# KiCad board Si5351ABreakout_panel.kicad_pcb (continued)
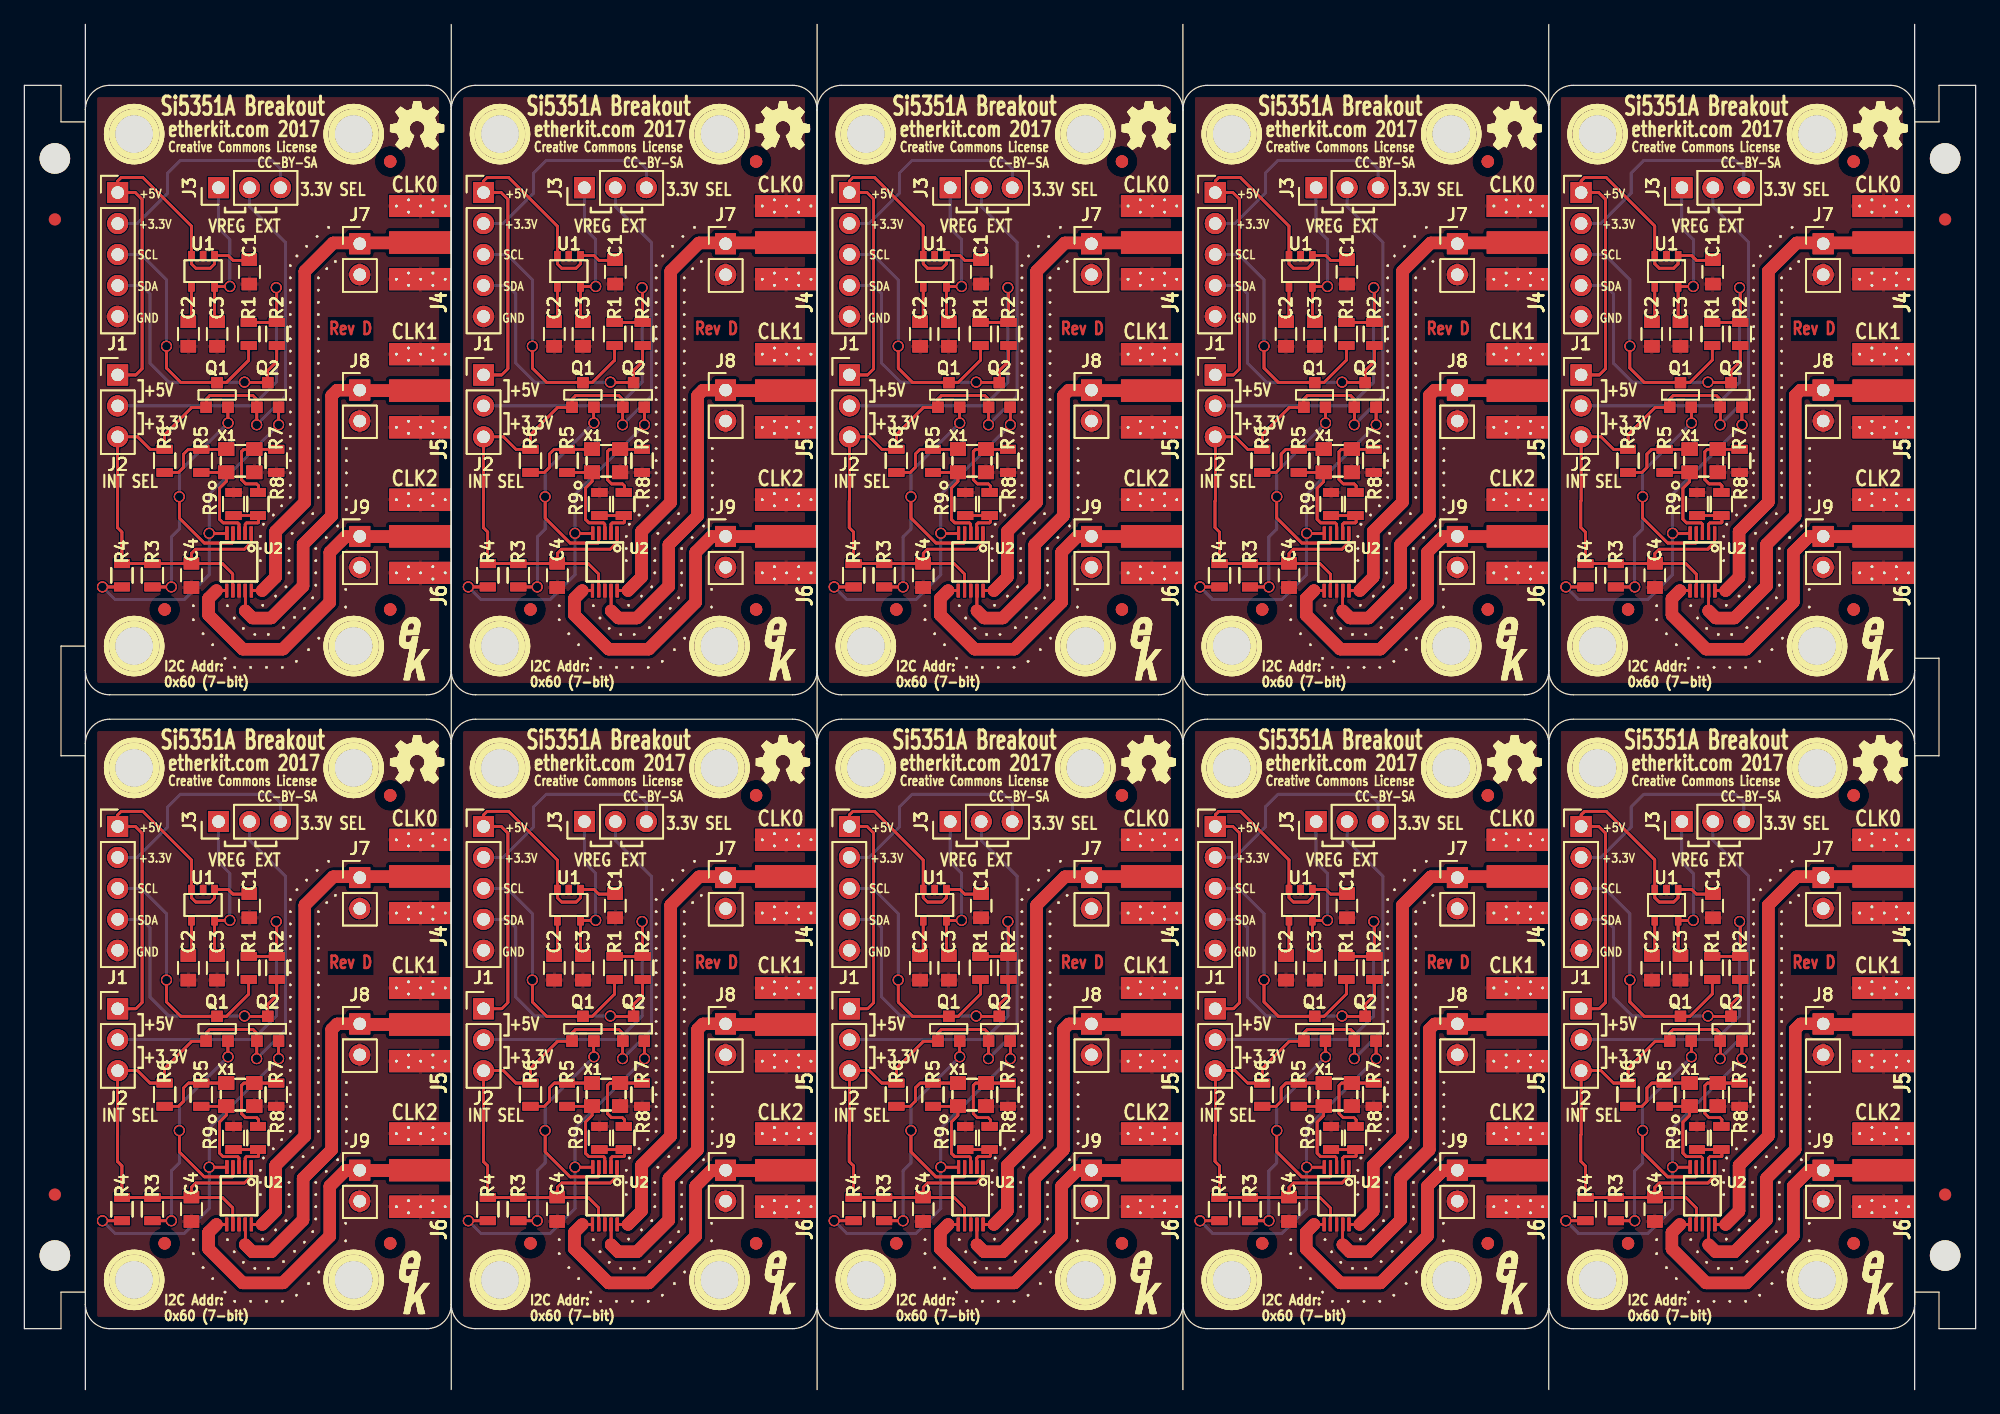
[diagram p0: board, top side]
## Routing (per net, layer and track width the routed paths; a pad name or vN(x,y) marks a point on that pad's centre or on a via; arc(x,y) is an arc through that point) (continued)
Net-(R7-Pad1): length 293.6
  Top w0.2: X1.3 18,77.15 ; X1.3 20.6,77.15 ; X1.3 20.6,77.15 ; X1.3 18,77.15 ; X1.3 18,77.15 ; X1.3 20.6,77.15 ; X1.3 20.6,77.15 ; X1.3 18,77.15 ; 18,77.15 17.8,76.95 ; 18,77.15 17.8,76.95 ; 18,77.15 17.8,76.95 ; 18,77.15 17.8,76.95 ; 17.8,76.95 17.8,74.65 ; 17.8,76.95 17.8,74.65 ; 17.8,76.95 17.8,74.65 ; 17.8,76.95 17.8,74.65 ; 17.8,74.65 18.15,74.3 ; 17.8,74.65 18.15,74.3 ; 17.8,74.65 18.15,74.3 ; 17.8,74.65 18.15,74.3 ; 18.15,74.3 19.05,74.3 ; 18.15,74.3 19.05,74.3 ; 18.15,74.3 19.05,74.3 ; 18.15,74.3 19.05,74.3 ; 19.05,74.3 19.2,74.15 ; 19.05,74.3 19.2,74.15 ; 19.05,74.3 19.2,74.15 ; 19.05,74.3 19.2,74.15 ; 19.2,74.15 19.2,73.6 ; 19.2,74.15 19.2,73.6 ; 19.2,74.15 19.2,73.6 ; 19.2,74.15 19.2,73.6 ; X1#2.3 48,77.15 ; X1#2.3 50.6,77.15 ; X1#2.3 50.6,77.15 ; X1#2.3 48,77.15 ; X1#2.3 48,77.15 ; X1#2.3 50.6,77.15 ; X1#2.3 48,77.15 ; X1#2.3 50.6,77.15 ; 48,77.15 47.8,76.95 ; 48,77.15 47.8,76.95 ; 48,77.15 47.8,76.95 ; 48,77.15 47.8,76.95 ; 47.8,76.95 47.8,74.65 ; 47.8,76.95 47.8,74.65 ; 47.8,76.95 47.8,74.65 ; 47.8,76.95 47.8,74.65 ; 47.8,74.65 48.15,74.3 ; 47.8,74.65 48.15,74.3 ; 47.8,74.65 48.15,74.3 ; 47.8,74.65 48.15,74.3 ; 48.15,74.3 49.05,74.3 ; 48.15,74.3 49.05,74.3 ; 48.15,74.3 49.05,74.3 ; 48.15,74.3 49.05,74.3 ; 49.05,74.3 49.2,74.15 ; 49.05,74.3 49.2,74.15 ; 49.05,74.3 49.2,74.15 ; 49.05,74.3 49.2,74.15 ; 49.2,74.15 49.2,73.6 ; 49.2,74.15 49.2,73.6 ; 49.2,74.15 49.2,73.6 ; 49.2,74.15 49.2,73.6 ; X1#3.3 78,77.15 ; X1#3.3 80.6,77.15 ; X1#3.3 80.6,77.15 ; X1#3.3 78,77.15 ; X1#3.3 78,77.15 ; X1#3.3 80.6,77.15 ; X1#3.3 80.6,77.15 ; X1#3.3 78,77.15 ; 78,77.15 77.8,76.95 ; 78,77.15 77.8,76.95 ; 78,77.15 77.8,76.95 ; 78,77.15 77.8,76.95 ; 77.8,76.95 77.8,74.65 ; 77.8,76.95 77.8,74.65 ; 77.8,76.95 77.8,74.65 ; 77.8,76.95 77.8,74.65 ; 77.8,74.65 78.15,74.3 ; 77.8,74.65 78.15,74.3 ; 77.8,74.65 78.15,74.3 ; 77.8,74.65 78.15,74.3 ; 78.15,74.3 79.05,74.3 ; 78.15,74.3 79.05,74.3 ; 78.15,74.3 79.05,74.3 ; 78.15,74.3 79.05,74.3 ; 79.05,74.3 79.2,74.15 ; 79.05,74.3 79.2,74.15 ; 79.05,74.3 79.2,74.15 ; 79.05,74.3 79.2,74.15 ; 79.2,74.15 79.2,73.6 ; 79.2,74.15 79.2,73.6 ; 79.2,74.15 79.2,73.6 ; 79.2,74.15 79.2,73.6 ; X1#4.3 108,77.15 ; X1#4.3 110.6,77.15 ; X1#4.3 110.6,77.15 ; X1#4.3 108,77.15 ; X1#4.3 108,77.15 ; X1#4.3 110.6,77.15 ; X1#4.3 110.6,77.15 ; X1#4.3 108,77.15 ; 108,77.15 107.8,76.95 ; 108,77.15 107.8,76.95 ; 108,77.15 107.8,76.95 ; 108,77.15 107.8,76.95 ; 107.8,76.95 107.8,74.65 ; 107.8,76.95 107.8,74.65 ; 107.8,76.95 107.8,74.65 ; 107.8,76.95 107.8,74.65 ; 107.8,74.65 108.15,74.3 ; 107.8,74.65 108.15,74.3 ; 107.8,74.65 108.15,74.3 ; 107.8,74.65 108.15,74.3 ; 108.15,74.3 109.05,74.3 ; 108.15,74.3 109.05,74.3 ; 108.15,74.3 109.05,74.3 ; 108.15,74.3 109.05,74.3 ; 109.05,74.3 109.2,74.15 ; 109.05,74.3 109.2,74.15 ; 109.05,74.3 109.2,74.15 ; 109.05,74.3 109.2,74.15 ; 109.2,74.15 109.2,73.6 ; 109.2,74.15 109.2,73.6 ; 109.2,74.15 109.2,73.6 ; 109.2,74.15 109.2,73.6 ; X1#5.3 138,77.15 ; X1#5.3 140.6,77.15 ; X1#5.3 140.6,77.15 ; X1#5.3 138,77.15 ; X1#5.3 138,77.15 ; X1#5.3 140.6,77.15 ; X1#5.3 140.6,77.15 ; X1#5.3 138,77.15 ; 138,77.15 137.8,76.95 ; 138,77.15 137.8,76.95 ; 138,77.15 137.8,76.95 ; 138,77.15 137.8,76.95 ; 137.8,76.95 137.8,74.65 ; 137.8,76.95 137.8,74.65 ; 137.8,76.95 137.8,74.65 ; 137.8,76.95 137.8,74.65 ; 137.8,74.65 138.15,74.3 ; 137.8,74.65 138.15,74.3 ; 137.8,74.65 138.15,74.3 ; 137.8,74.65 138.15,74.3 ; 138.15,74.3 139.05,74.3 ; 138.15,74.3 139.05,74.3 ; 138.15,74.3 139.05,74.3 ; 138.15,74.3 139.05,74.3 ; 139.05,74.3 139.2,74.15 ; 139.05,74.3 139.2,74.15 ; 139.05,74.3 139.2,74.15 ; 139.05,74.3 139.2,74.15 ; 139.2,74.15 139.2,73.6 ; 139.2,74.15 139.2,73.6 ; 139.2,74.15 139.2,73.6 ; 139.2,74.15 139.2,73.6 ; X1#37.3 110.6,25.15 ; X1#37.3 110.6,25.15 ; X1#37.3 110.6,25.15 ; X1#37.3 110.6,25.15 ; X1#37.3 108,25.15 ; X1#37.3 108,25.15 ; X1#37.3 108,25.15 ; X1#37.3 108,25.15 ; X1#33.3 138,25.15 ; X1#33.3 138,25.15 ; X1#33.3 138,25.15 ; X1#33.3 140.6,25.15 ; X1#33.3 140.6,25.15 ; X1#33.3 138,25.15 ; X1#33.3 140.6,25.15 ; X1#33.3 140.6,25.15 ; 138,25.15 137.8,24.95 ; 138,25.15 137.8,24.95 ; 138,25.15 137.8,24.95 ; 138,25.15 137.8,24.95 ; 137.8,24.95 137.8,22.65 ; 137.8,24.95 137.8,22.65 ; 137.8,24.95 137.8,22.65 ; 137.8,24.95 137.8,22.65 ; 137.8,22.65 138.15,22.3 ; 137.8,22.65 138.15,22.3 ; 137.8,22.65 138.15,22.3 ; 137.8,22.65 138.15,22.3 ; 138.15,22.3 139.05,22.3 ; 138.15,22.3 139.05,22.3 ; 138.15,22.3 139.05,22.3 ; 138.15,22.3 139.05,22.3 ; 139.05,22.3 139.2,22.15 ; 139.05,22.3 139.2,22.15 ; 139.05,22.3 139.2,22.15 ; 139.05,22.3 139.2,22.15 ; 139.2,22.15 139.2,21.6 ; 139.2,22.15 139.2,21.6 ; 139.2,22.15 139.2,21.6 ; 139.2,22.15 139.2,21.6 ; 108.15,22.3 109.05,22.3 ; 108.15,22.3 109.05,22.3 ; 108.15,22.3 109.05,22.3 ; 108.15,22.3 109.05,22.3 ; 108.15,22.3 107.8,22.65 ; 108.15,22.3 107.8,22.65 ; 108.15,22.3 107.8,22.65 ; 108.15,22.3 107.8,22.65 ; 109.05,22.3 109.2,22.15 ; 109.05,22.3 109.2,22.15 ; 109.05,22.3 109.2,22.15 ; 109.05,22.3 109.2,22.15 ; 107.8,22.65 107.8,24.95 ; 107.8,22.65 107.8,24.95 ; 107.8,22.65 107.8,24.95 ; 107.8,22.65 107.8,24.95 ; 107.8,24.95 108,25.15 ; 107.8,24.95 108,25.15 ; 107.8,24.95 108,25.15 ; 107.8,24.95 108,25.15 ; 109.2,22.15 109.2,21.6 ; 109.2,22.15 109.2,21.6 ; 109.2,22.15 109.2,21.6 ; 109.2,22.15 109.2,21.6 ; 77.8,24.95 77.8,22.65 ; 77.8,24.95 77.8,22.65 ; 77.8,24.95 78,25.15 ; 77.8,24.95 77.8,22.65 ; 77.8,24.95 77.8,22.65 ; 77.8,24.95 78,25.15 ; 77.8,24.95 78,25.15 ; 77.8,24.95 78,25.15 ; 77.8,22.65 78.15,22.3 ; 77.8,22.65 78.15,22.3 ; 77.8,22.65 78.15,22.3 ; 77.8,22.65 78.15,22.3 ; 78,25.15 X1#21.3 ; 78,25.15 X1#21.3 ; 78,25.15 X1#21.3 ; 78,25.15 X1#21.3 ; X1#21.3 80.6,25.15 ; X1#21.3 80.6,25.15 ; X1#21.3 80.6,25.15 ; X1#21.3 80.6,25.15 ; 78.15,22.3 79.05,22.3 ; 78.15,22.3 79.05,22.3 ; 78.15,22.3 79.05,22.3 ; 78.15,22.3 79.05,22.3 ; 79.05,22.3 79.2,22.15 ; 79.05,22.3 79.2,22.15 ; 79.05,22.3 79.2,22.15 ; 79.05,22.3 79.2,22.15 ; 79.2,22.15 79.2,21.6 ; 79.2,22.15 79.2,21.6 ; 79.2,22.15 79.2,21.6 ; 79.2,22.15 79.2,21.6 ; 49.05,22.3 49.2,22.15 ; 49.05,22.3 49.2,22.15 ; 49.05,22.3 49.2,22.15 ; 49.05,22.3 49.2,22.15 ; 49.05,22.3 48.15,22.3 ; 49.05,22.3 48.15,22.3 ; 49.05,22.3 48.15,22.3 ; 49.05,22.3 48.15,22.3 ; 49.2,22.15 49.2,21.6 ; 49.2,22.15 49.2,21.6 ; 49.2,22.15 49.2,21.6 ; 49.2,22.15 49.2,21.6 ; 47.8,22.65 48.15,22.3 ; 47.8,22.65 48.15,22.3 ; 47.8,22.65 48.15,22.3 ; 47.8,22.65 48.15,22.3 ; 47.8,22.65 47.8,24.95 ; 47.8,22.65 47.8,24.95 ; 47.8,22.65 47.8,24.95 ; 47.8,22.65 47.8,24.95 ; X1#29.3 48,25.15 ; X1#29.3 48,25.15 ; X1#29.3 48,25.15 ; X1#29.3 48,25.15 ; X1#29.3 50.6,25.15 ; X1#29.3 50.6,25.15 ; X1#29.3 50.6,25.15 ; X1#29.3 50.6,25.15 ; 48,25.15 47.8,24.95 ; 48,25.15 47.8,24.95 ; 48,25.15 47.8,24.95 ; 48,25.15 47.8,24.95 ; 17.8,24.95 17.8,22.65 ; 17.8,24.95 17.8,22.65 ; 17.8,24.95 18,25.15 ; 17.8,24.95 17.8,22.65 ; 17.8,24.95 17.8,22.65 ; 17.8,24.95 18,25.15 ; 17.8,24.95 18,25.15 ; 17.8,24.95 18,25.15 ; 17.8,22.65 18.15,22.3 ; 17.8,22.65 18.15,22.3 ; 17.8,22.65 18.15,22.3 ; 17.8,22.65 18.15,22.3 ; 18,25.15 X1#22.3 ; 18,25.15 X1#22.3 ; 18,25.15 X1#22.3 ; 18,25.15 X1#22.3 ; X1#22.3 20.6,25.15 ; X1#22.3 20.6,25.15 ; X1#22.3 20.6,25.15 ; X1#22.3 20.6,25.15 ; 18.15,22.3 19.05,22.3 ; 18.15,22.3 19.05,22.3 ; 18.15,22.3 19.05,22.3 ; 18.15,22.3 19.05,22.3 ; 19.05,22.3 19.2,22.15 ; 19.05,22.3 19.2,22.15 ; 19.05,22.3 19.2,22.15 ; 19.05,22.3 19.2,22.15 ; 19.2,22.15 19.2,21.6 ; 19.2,22.15 19.2,21.6 ; 19.2,22.15 19.2,21.6 ; 19.2,22.15 19.2,21.6
Net-(R8-Pad2): length 178.5
  Top w0.2: R9.1 R8.2 ; R9.1 R8.2 ; R9.1 R8.2 ; R9.1 R8.2 ; 19.2,71.15 19.2,71.7 ; 19.2,71.15 19.15,71.1 ; 19.2,71.15 19.15,71.1 ; 19.2,71.15 19.2,71.7 ; 19.2,71.15 19.2,71.7 ; 19.2,71.15 19.15,71.1 ; 19.2,71.15 19.2,71.7 ; 19.2,71.15 19.15,71.1 ; 18.2,71.1 19.15,71.1 ; 18.2,71.1 18.1,71 ; 18.2,71.1 18.1,71 ; 18.2,71.1 19.15,71.1 ; 18.2,71.1 19.15,71.1 ; 18.2,71.1 18.1,71 ; 18.2,71.1 19.15,71.1 ; 18.2,71.1 18.1,71 ; 18.1,71 U2.2 ; 18.1,71 U2.2 ; 18.1,71 U2.2 ; 18.1,71 U2.2 ; R9#2.1 R8#2.2 ; R9#2.1 R8#2.2 ; R9#2.1 R8#2.2 ; R9#2.1 R8#2.2 ; 49.2,71.15 49.2,71.7 ; 49.2,71.15 49.15,71.1 ; 49.2,71.15 49.15,71.1 ; 49.2,71.15 49.2,71.7 ; 49.2,71.15 49.2,71.7 ; 49.2,71.15 49.15,71.1 ; 49.2,71.15 49.2,71.7 ; 49.2,71.15 49.15,71.1 ; 48.2,71.1 49.15,71.1 ; 48.2,71.1 48.1,71 ; 48.2,71.1 48.1,71 ; 48.2,71.1 49.15,71.1 ; 48.2,71.1 49.15,71.1 ; 48.2,71.1 48.1,71 ; 48.2,71.1 49.15,71.1 ; 48.2,71.1 48.1,71 ; 48.1,71 U2#2.2 ; 48.1,71 U2#2.2 ; 48.1,71 U2#2.2 ; 48.1,71 U2#2.2 ; R9#3.1 R8#3.2 ; R9#3.1 R8#3.2 ; R9#3.1 R8#3.2 ; R9#3.1 R8#3.2 ; 79.2,71.15 79.2,71.7 ; 79.2,71.15 79.15,71.1 ; 79.2,71.15 79.15,71.1 ; 79.2,71.15 79.2,71.7 ; 79.2,71.15 79.2,71.7 ; 79.2,71.15 79.15,71.1 ; 79.2,71.15 79.15,71.1 ; 79.2,71.15 79.2,71.7 ; 78.2,71.1 79.15,71.1 ; 78.2,71.1 78.1,71 ; 78.2,71.1 78.1,71 ; 78.2,71.1 79.15,71.1 ; 78.2,71.1 79.15,71.1 ; 78.2,71.1 78.1,71 ; 78.2,71.1 79.15,71.1 ; 78.2,71.1 78.1,71 ; 78.1,71 U2#3.2 ; 78.1,71 U2#3.2 ; 78.1,71 U2#3.2 ; 78.1,71 U2#3.2 ; R9#4.1 R8#4.2 ; R9#4.1 R8#4.2 ; R9#4.1 R8#4.2 ; R9#4.1 R8#4.2 ; 109.2,71.15 109.2,71.7 ; 109.2,71.15 109.15,71.1 ; 109.2,71.15 109.15,71.1 ; 109.2,71.15 109.2,71.7 ; 109.2,71.15 109.2,71.7 ; 109.2,71.15 109.15,71.1 ; 109.2,71.15 109.2,71.7 ; 109.2,71.15 109.15,71.1 ; 108.2,71.1 109.15,71.1 ; 108.2,71.1 108.1,71 ; 108.2,71.1 108.1,71 ; 108.2,71.1 109.15,71.1 ; 108.2,71.1 109.15,71.1 ; 108.2,71.1 108.1,71 ; 108.2,71.1 108.1,71 ; 108.2,71.1 109.15,71.1 ; 108.1,71 U2#4.2 ; 108.1,71 U2#4.2 ; 108.1,71 U2#4.2 ; 108.1,71 U2#4.2 ; R9#5.1 R8#5.2 ; R9#5.1 R8#5.2 ; R9#5.1 R8#5.2 ; R9#5.1 R8#5.2 ; 139.2,71.15 139.2,71.7 ; 139.2,71.15 139.15,71.1 ; 139.2,71.15 139.15,71.1 ; 139.2,71.15 139.2,71.7 ; 139.2,71.15 139.2,71.7 ; 139.2,71.15 139.15,71.1 ; 139.2,71.15 139.15,71.1 ; 139.2,71.15 139.2,71.7 ; 138.2,71.1 139.15,71.1 ; 138.2,71.1 138.1,71 ; 138.2,71.1 138.1,71 ; 138.2,71.1 139.15,71.1 ; 138.2,71.1 139.15,71.1 ; 138.2,71.1 138.1,71 ; 138.2,71.1 138.1,71 ; 138.2,71.1 139.15,71.1 ; 138.1,71 U2#5.2 ; 138.1,71 U2#5.2 ; 138.1,71 U2#5.2 ; 138.1,71 U2#5.2 ; R9#37.1 R8#37.2 ; R9#37.1 R8#37.2 ; R9#37.1 R8#37.2 ; R9#37.1 R8#37.2 ; 138.2,19.1 139.15,19.1 ; 138.2,19.1 139.15,19.1 ; 138.2,19.1 139.15,19.1 ; 138.2,19.1 139.15,19.1 ; 138.2,19.1 138.1,19 ; 138.2,19.1 138.1,19 ; 138.2,19.1 138.1,19 ; 138.2,19.1 138.1,19 ; 139.15,19.1 139.2,19.15 ; 139.15,19.1 139.2,19.15 ; 139.15,19.1 139.2,19.15 ; 139.15,19.1 139.2,19.15 ; 139.2,19.15 139.2,19.7 ; 139.2,19.15 139.2,19.7 ; 139.2,19.15 139.2,19.7 ; 139.2,19.15 139.2,19.7 ; 138.1,19 U2#37.2 ; 138.1,19 U2#37.2 ; 138.1,19 U2#37.2 ; 138.1,19 U2#37.2 ; U2#33.2 108.1,19 ; U2#33.2 108.1,19 ; U2#33.2 108.1,19 ; U2#33.2 108.1,19 ; 108.1,19 108.2,19.1 ; 108.1,19 108.2,19.1 ; 108.1,19 108.2,19.1 ; 108.1,19 108.2,19.1 ; 108.2,19.1 109.15,19.1 ; 108.2,19.1 109.15,19.1 ; 108.2,19.1 109.15,19.1 ; 108.2,19.1 109.15,19.1 ; 109.2,19.15 109.2,19.7 ; 109.2,19.15 109.2,19.7 ; 109.2,19.15 109.2,19.7 ; 109.2,19.15 109.15,19.1 ; 109.2,19.15 109.15,19.1 ; 109.2,19.15 109.2,19.7 ; 109.2,19.15 109.15,19.1 ; 109.2,19.15 109.15,19.1 ; R9#33.1 R8#33.2 ; R9#33.1 R8#33.2 ; R9#33.1 R8#33.2 ; R9#33.1 R8#33.2 ; 78.1,19 78.2,19.1 ; 78.1,19 78.2,19.1 ; 78.1,19 78.2,19.1 ; 78.1,19 78.2,19.1 ; 78.1,19 U2#21.2 ; 78.1,19 U2#21.2 ; 78.1,19 U2#21.2 ; 78.1,19 U2#21.2 ; 78.2,19.1 79.15,19.1 ; 78.2,19.1 79.15,19.1 ; 78.2,19.1 79.15,19.1 ; 78.2,19.1 79.15,19.1 ; 79.15,19.1 79.2,19.15 ; 79.15,19.1 79.2,19.15 ; 79.15,19.1 79.2,19.15 ; 79.15,19.1 79.2,19.15 ; 79.2,19.15 79.2,19.7 ; 79.2,19.15 79.2,19.7 ; 79.2,19.15 79.2,19.7 ; 79.2,19.15 79.2,19.7 ; R9#21.1 R8#21.2 ; R9#21.1 R8#21.2 ; R9#21.1 R8#21.2 ; R9#21.1 R8#21.2 ; U2#26.2 48.1,19 ; U2#26.2 48.1,19 ; U2#26.2 48.1,19 ; U2#26.2 48.1,19 ; 48.1,19 48.2,19.1 ; 48.1,19 48.2,19.1 ; 48.1,19 48.2,19.1 ; 48.1,19 48.2,19.1 ; 48.2,19.1 49.15,19.1 ; 48.2,19.1 49.15,19.1 ; 48.2,19.1 49.15,19.1 ; 48.2,19.1 49.15,19.1 ; 49.15,19.1 49.2,19.15 ; 49.15,19.1 49.2,19.15 ; 49.15,19.1 49.2,19.15 ; 49.15,19.1 49.2,19.15 ; R9#29.1 R8#29.2 ; R9#29.1 R8#29.2 ; R9#29.1 R8#29.2 ; R9#29.1 R8#29.2 ; 49.2,19.15 49.2,19.7 ; 49.2,19.15 49.2,19.7 ; 49.2,19.15 49.2,19.7 ; 49.2,19.15 49.2,19.7 ; 18.1,19 18.2,19.1 ; 18.1,19 18.2,19.1 ; 18.1,19 U2#25.2 ; 18.1,19 18.2,19.1 ; 18.1,19 18.2,19.1 ; 18.1,19 U2#25.2 ; 18.1,19 U2#25.2 ; 18.1,19 U2#25.2 ; 18.2,19.1 19.15,19.1 ; 18.2,19.1 19.15,19.1 ; 18.2,19.1 19.15,19.1 ; 18.2,19.1 19.15,19.1 ; 19.15,19.1 19.2,19.15 ; 19.15,19.1 19.2,19.15 ; 19.15,19.1 19.2,19.15 ; 19.15,19.1 19.2,19.15 ; R9#22.1 R8#22.2 ; R9#22.1 R8#22.2 ; R9#22.1 R8#22.2 ; R9#22.1 R8#22.2 ; 19.2,19.15 19.2,19.7 ; 19.2,19.15 19.2,19.7 ; 19.2,19.15 19.2,19.7 ; 19.2,19.15 19.2,19.7

## Copper pours and planes (outline as drawn; the poured copper is in the pictures)
GND on Top: 64,58 36,58 36,106 64,106
GND on Top: 34,58 6,58 6,106 34,106
GND on Top: 94,58 66,58 66,106 94,106
GND on Top: 124,58 96,58 96,106 124,106
GND on Top: 154,58 126,58 126,106 154,106
GND on Top: 34,58 6,58 6,106 34,106
GND on Top: 64,58 36,58 36,106 64,106
GND on Top: 94,58 66,58 66,106 94,106
GND on Top: 124,58 96,58 96,106 124,106
GND on Top: 154,58 126,58 126,106 154,106
GND on Top: 34,58 6,58 6,106 34,106
GND on Top: 64,58 36,58 36,106 64,106
GND on Top: 94,58 66,58 66,106 94,106
GND on Top: 124,58 96,58 96,106 124,106
GND on Top: 154,58 126,58 126,106 154,106
GND on Top: 34,58 6,58 6,106 34,106
GND on Top: 64,58 36,58 36,106 64,106
GND on Top: 94,58 66,58 66,106 94,106
GND on Top: 124,58 96,58 96,106 124,106
GND on Top: 154,58 126,58 126,106 154,106
GND on Top: 154,6 126,6 126,54 154,54
GND on Top: 124,6 96,6 96,54 124,54
GND on Top: 154,6 126,6 126,54 154,54
GND on Top: 154,6 126,6 126,54 154,54
GND on Top: 154,6 126,6 126,54 154,54
GND on Top: 124,6 96,6 96,54 124,54
GND on Top: 124,6 96,6 96,54 124,54
GND on Top: 124,6 96,6 96,54 124,54
GND on Top: 64,6 36,6 36,54 64,54
GND on Top: 64,6 36,6 36,54 64,54
GND on Top: 64,6 36,6 36,54 64,54
GND on Top: 64,6 36,6 36,54 64,54
GND on Top: 94,6 66,6 66,54 94,54
GND on Top: 94,6 66,6 66,54 94,54
GND on Top: 94,6 66,6 66,54 94,54
GND on Top: 94,6 66,6 66,54 94,54
GND on Top: 34,6 6,6 6,54 34,54
GND on Top: 34,6 6,6 6,54 34,54
GND on Top: 34,6 6,6 6,54 34,54
GND on Top: 34,6 6,6 6,54 34,54
GND on Bottom: 124,58 96,58 96,106 124,106
GND on Bottom: 34,58 6,58 6,106 34,106
GND on Bottom: 64,58 36,58 36,106 64,106
GND on Bottom: 154,58 126,58 126,106 154,106
GND on Bottom: 94,58 66,58 66,106 94,106
GND on Bottom: 34,58 6,58 6,106 34,106
GND on Bottom: 64,58 36,58 36,106 64,106
GND on Bottom: 94,58 66,58 66,106 94,106
GND on Bottom: 124,58 96,58 96,106 124,106
GND on Bottom: 154,58 126,58 126,106 154,106
GND on Bottom: 34,58 6,58 6,106 34,106
GND on Bottom: 64,58 36,58 36,106 64,106
GND on Bottom: 94,58 66,58 66,106 94,106
GND on Bottom: 124,58 96,58 96,106 124,106
GND on Bottom: 154,58 126,58 126,106 154,106
GND on Bottom: 34,58 6,58 6,106 34,106
GND on Bottom: 64,58 36,58 36,106 64,106
GND on Bottom: 94,58 66,58 66,106 94,106
GND on Bottom: 124,58 96,58 96,106 124,106
GND on Bottom: 154,58 126,58 126,106 154,106
GND on Bottom: 154,6 126,6 126,54 154,54
GND on Bottom: 154,6 126,6 126,54 154,54
GND on Bottom: 154,6 126,6 126,54 154,54
GND on Bottom: 154,6 126,6 126,54 154,54
GND on Bottom: 124,6 96,6 96,54 124,54
GND on Bottom: 124,6 96,6 96,54 124,54
GND on Bottom: 124,6 96,6 96,54 124,54
GND on Bottom: 124,6 96,6 96,54 124,54
GND on Bottom: 94,6 66,6 66,54 94,54
GND on Bottom: 94,6 66,6 66,54 94,54
GND on Bottom: 94,6 66,6 66,54 94,54
GND on Bottom: 94,6 66,6 66,54 94,54
GND on Bottom: 34,6 6,6 6,54 34,54
GND on Bottom: 34,6 6,6 6,54 34,54
GND on Bottom: 34,6 6,6 6,54 34,54
GND on Bottom: 34,6 6,6 6,54 34,54
GND on Bottom: 64,6 36,6 36,54 64,54
GND on Bottom: 64,6 36,6 36,54 64,54
GND on Bottom: 64,6 36,6 36,54 64,54
GND on Bottom: 64,6 36,6 36,54 64,54

## Text on the board
B.SilkS: Corr.
Cmts.User: V-Groove
Top: Rev D
F.SilkS: +3.3V | +5V | SCL | SDA | GND | Creative Commons License / CC-BY-SA | I2C Addr: / 0x60 (7-bit) | INT SEL | VREG | EXT | 3.3V SEL | etherkit.com 2017 | CLK0 | CLK1 | CLK2 | Si5351A Breakout
